# Altium PCB Carte_Alim.PcbDoc (part 1 of 2) (continued)
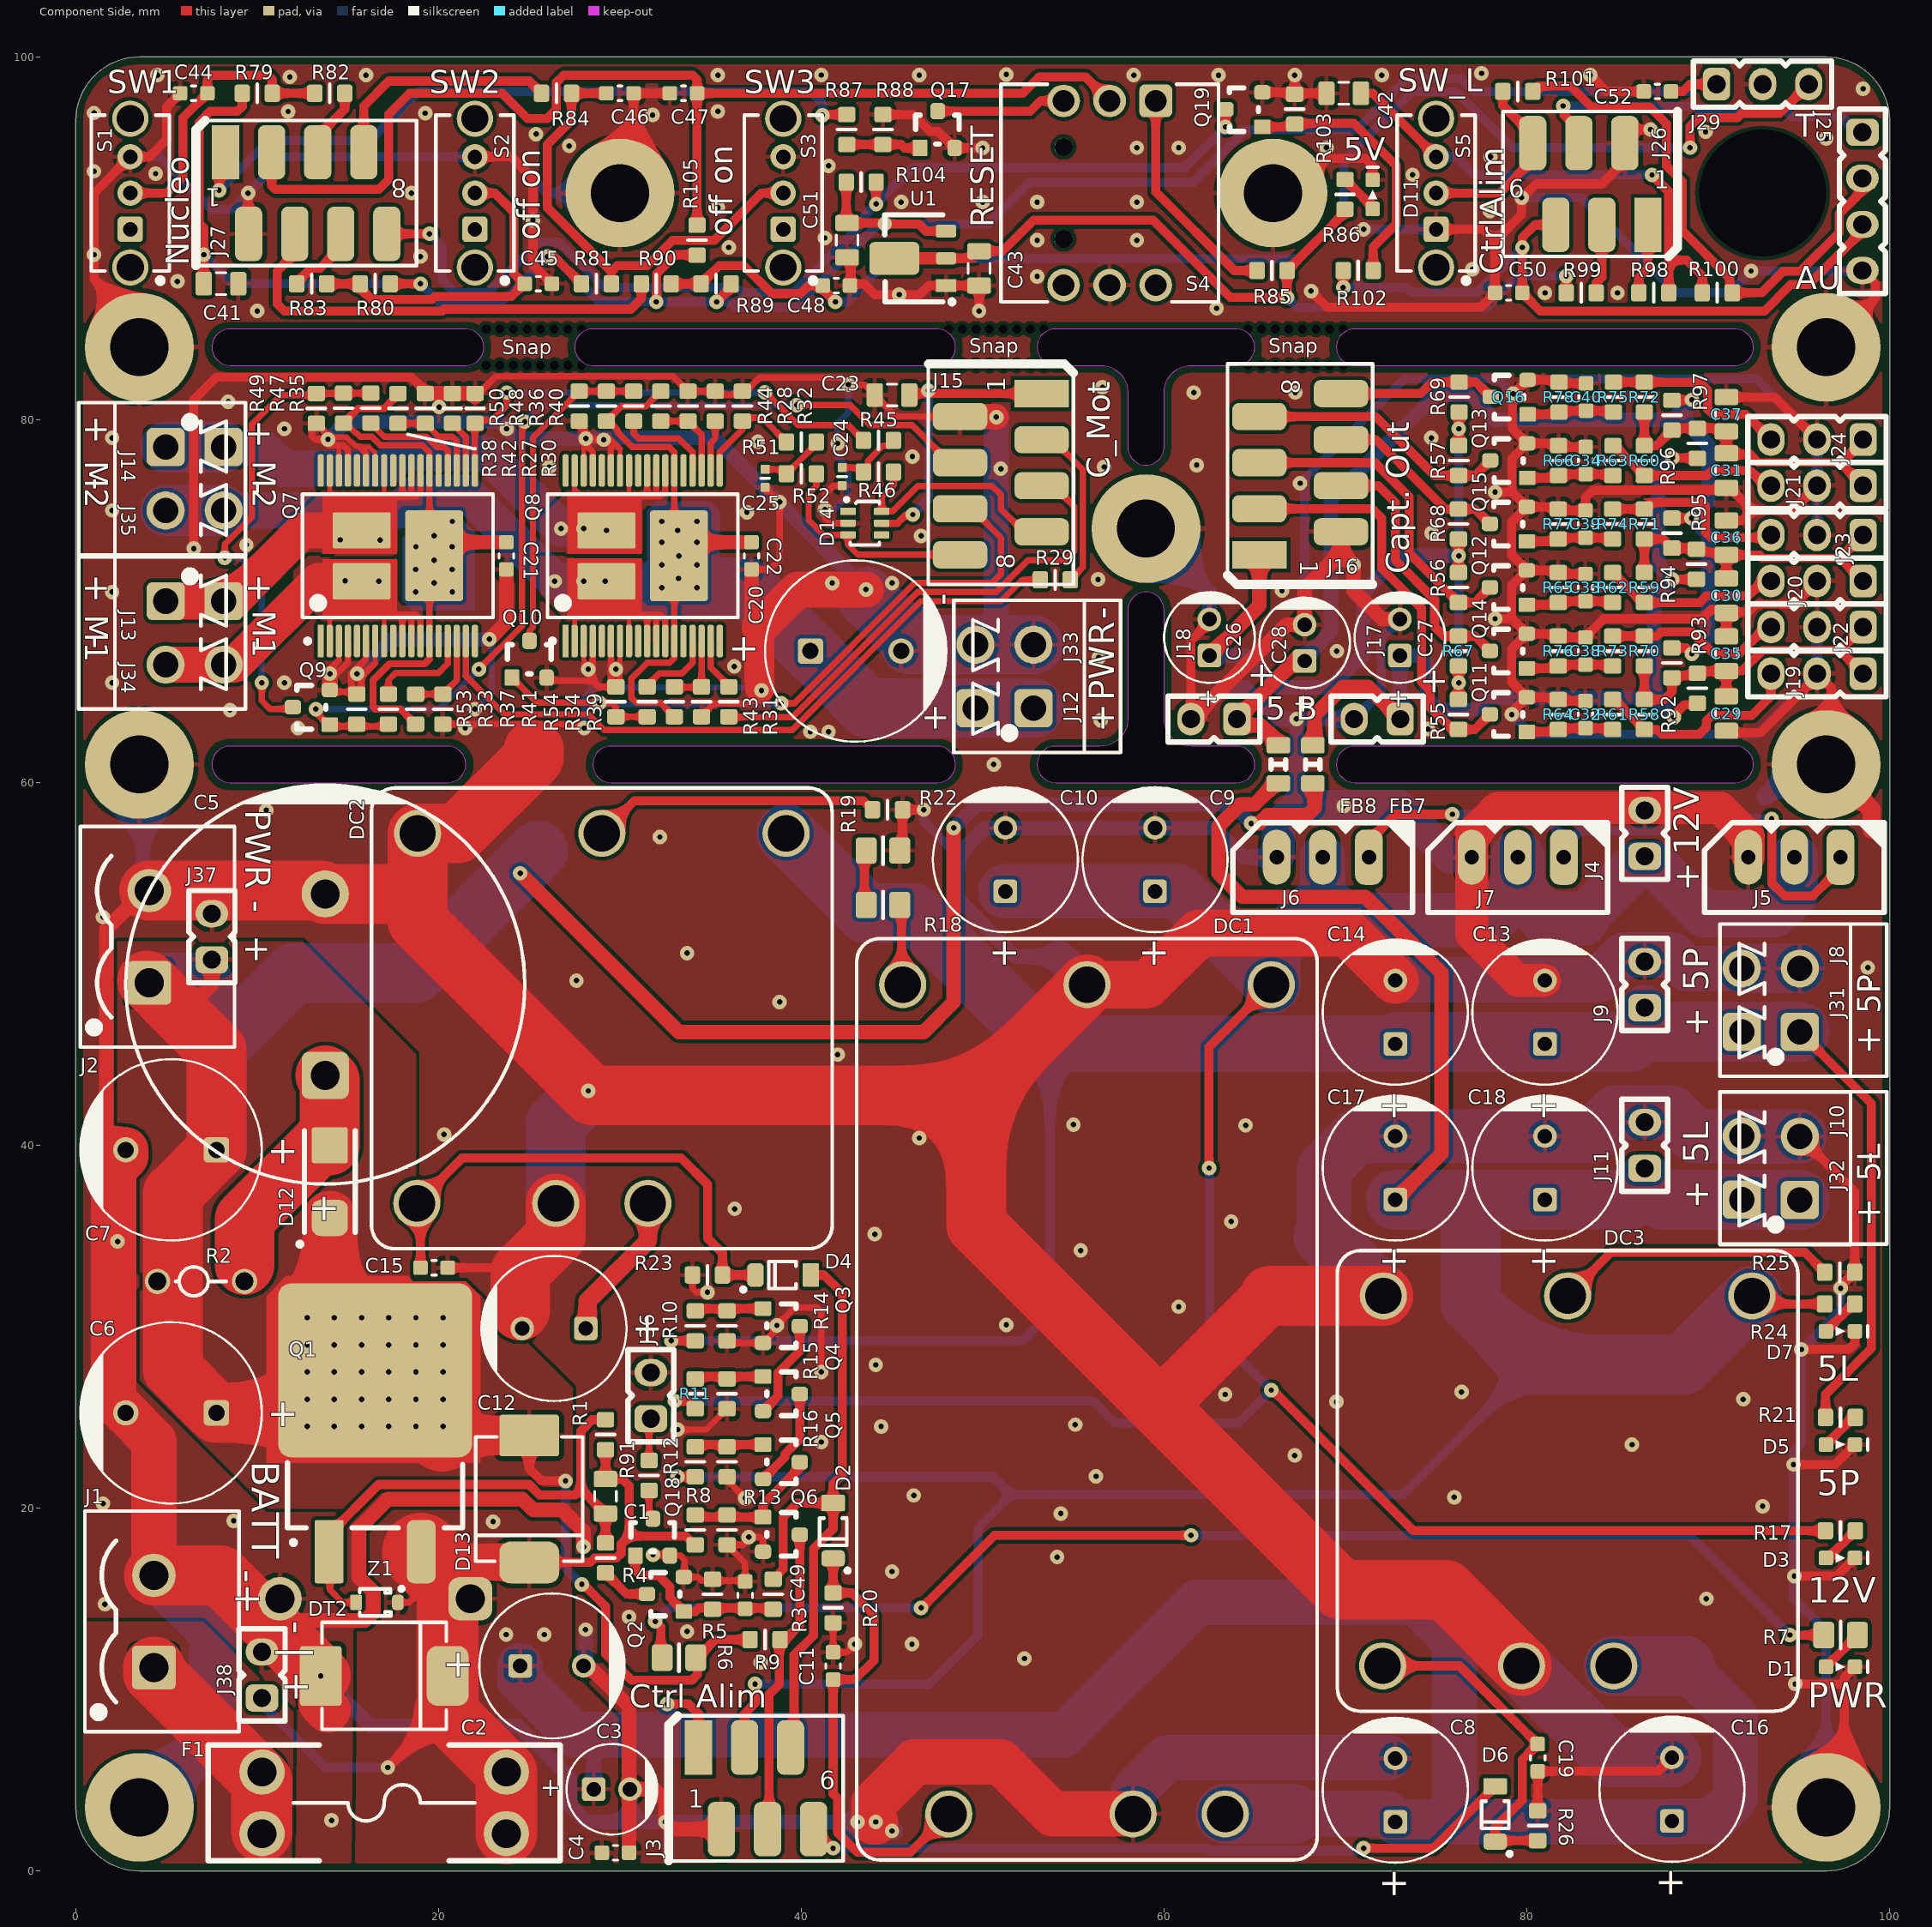
[diagram p0: Component Side view]
## Part data
C1 C23 C29 C30 C31 C35 C36 C37 C41 C42: library part "WCAP-CSGP, 885012207103", "CAP CER 1uF 50V X7R 0805", Manufacturer="Wurth Elektronik", Manufacturer Part Number=885012207103, RatedVoltage=50V, CeramicType=X7R, ComponentLink1Description=Datasheet, ComponentLink1URL=http://katalog.we-online.com/pbs/datasheet/885012207103.pdf, Size=0805, SUPPLIER 2=JLCPCB, Supplier Footprint 2=0805, SUPPLIER PART NUMBER 2=C28323
C2 C8 C12 C16: library part "WCAP-ATG8, 860010574011", "CAP Alu 220 UF 20% 35 V", Manufacturer="Wurth Elektronik", Manufacturer Part Number=860010574011, RatedVoltage=35V, ComponentLink1Description=Datasheet, ComponentLink1URL=http://katalog.we-online.de/pbs/datasheet/860010574011.pdf, Size=8mmx11.5mm
C3 C26 C27 C28: library part "WCAP-ATG8, 860010672009", "CAP Alu 10 UF 20% 50 V", Manufacturer="Wurth Elektronik", Manufacturer Part Number=860010672009, RatedVoltage=50V, ComponentLink1Description=Datasheet, ComponentLink1URL=http://katalog.we-online.de/pbs/datasheet/860010672009.pdf, Size=5mmx11mm
C4 C11 C15 C19 C21 C22 C32 C33 C34 C38 C39 C40 C44 C45 C46 C47 C48 C49 C50 C52: library part "WCAP-CSGP, 885012206095", "CAP CER 100nF 50V X7R 0603", Manufacturer="Wurth Elektronik", Manufacturer Part Number=885012206095, RatedVoltage=50V, CeramicType=X7R, ComponentLink1Description=Datasheet, ComponentLink1URL=http://katalog.we-online.com/pbs/datasheet/885012206095.pdf, Size=0603, SUPPLIER 2=JLCPCB, Supplier Footprint 2=0603, SUPPLIER PART NUMBER 2=C14663
C5: library part "WCAP-ATG8, 860010483029", "CAP Alu 10'000 UF 25 V", Manufacturer="Wurth Elektronik", Manufacturer Part Number=860010483029, RatedVoltage=25V, ComponentLink1Description=Datasheet, ComponentLink1URL=http://katalog.we-online.de/pbs/datasheet/860010483029.pdf, Size=22x41mm
C6 C7 C20: library part "WCAP-ATG8, 860010575012", "CAP Alu 330 UF 20% 35 V", Manufacturer="Wurth Elektronik", Manufacturer Part Number=860010575012, RatedVoltage=35V, ComponentLink1Description=Datasheet, ComponentLink1URL=http://katalog.we-online.de/pbs/datasheet/860010575012.pdf, Size=10mmx12.5mm
C9 C10 C13 C14 C17 C18: library part "WCAP-ATG8, 860010374012", "CAP Alu 470 UF 20% 16 V", Manufacturer="Wurth Elektronik", Manufacturer Part Number=860010374012, RatedVoltage=16V, ComponentLink1Description=Datasheet, ComponentLink1URL=http://katalog.we-online.de/pbs/datasheet/860010374012.pdf, Size=8mmx11.5mm
C24 C25: library part "WCAP-CSGP, 885012205067", "CAP CER 10nF 50V X7R 0402", Manufacturer="Wurth Elektronik", Manufacturer Part Number=885012205067, RatedVoltage=50V, CeramicType=X7R, ComponentLink1Description=Datasheet, ComponentLink1URL=http://katalog.we-online.com/pbs/datasheet/885012205067.pdf, Size=0402, SUPPLIER 2=JLCPCB, Supplier Footprint 2=0402, SUPPLIER PART NUMBER 2=C15195
C43 C51: library part "WCAP-CSGP, 885012207026", "CAP CER 10uF 10V X7R 0805", Manufacturer="Wurth Elektronik", Manufacturer Part Number=885012207026, RatedVoltage=10V, SUPPLIER PART NUMBER 1=2495189, CeramicType=X7R, ComponentLink1Description=Datasheet, ComponentLink1URL=http://katalog.we-online.com/pbs/datasheet/885012207026.pdf, Size=0805, SUPPLIER 1=Farnell, SUPPLIER 2=JLCPCB, Supplier Footprint 2=0805, SUPPLIER PART NUMBER 2=C15850
D1 D3 D5 D7 D11: library part "WL-SMCW 0603  150060RS75000", "SMD mono-color Chip LED, WL-SMCW, Red", Manufacturer="Wurth Elektronik", SUPPLIER PART NUMBER 1=2322071, ComponentLink1Description=Datasheet, ComponentLink1URL=http://katalog.we-online.com/led/datasheet/150060RS75000.pdf, Manufacturer Part Number=150060RS75000, SUPPLIER 1=Farnell, SUPPLIER 2=JLCPCB, Supplier Footprint 2=LED_0603, SUPPLIER PART NUMBER 2=C2286
D2 D4 D6: "DIODE SCHOTTKY 40V 3A SOD123-FL", ContinuousForwardCurrent=3A, Manufacturer=ROHM, SUPPLIER PART NUMBER 1=2581593, ComponentLink1Description=Datasheet, ComponentLink1URL=http://www.farnell.com/datasheets/2067190.pdf, ComponentLink2Description=Manufacturer, ComponentLink2URL=http://www.rohm.com/web/global/products/-/product/RBR3MM40ATF, Manufacturer Part Number=RBR3MM40ATFTR, SUPPLIER 1=Farnell, SUPPLIER 2=JLCPCB, Supplier Footprint 2=SOD-123, SUPPLIER PART NUMBER 2=C8598, Type=Schottky
D12: "DIODE SCHOTTKY 100V 5A SMA (DO-214AC)", ContinuousForwardCurrent="5A (Pk 50A)", Manufacturer=MULTICOMP, SUPPLIER PART NUMBER 1=2750942, ComponentLink1Description=Datasheet, ComponentLink1URL=http://www.farnell.com/datasheets/2282884.pdf, Manufacturer Part Number=HTA5U100, SUPPLIER 1=Farnell, Type=Schottky
D13: library part RS3J_R6, "DIODE GEN PURP 600V 3A SMC", ContinuousForwardCurrent=3A, Manufacturer="TAIWAN SEMICONDUCTOR", SUPPLIER PART NUMBER 1=2677388, ComponentLink1Description=Datasheet, ComponentLink1URL=http://www.farnell.com/datasheets/2182655.pdf, Manufacturer Part Number="RS3J R6", SUPPLIER 1=Farnell, Type=Standard
D14: "WE-TVS TVS Diode 4+1Ch 5V SC70-6L", Manufacturer="Wurth Elektronik", SUPPLIER PART NUMBER 1=7546216, ComponentLink1Description=Datasheet, ComponentLink1URL=https://www.we-online.com/catalog/datasheet/82400274.pdf, Manufacturer Part Number=82400274, SUPPLIER 1=RSComponents, SUPPLIER 2=JLCPCB, Supplier Footprint 2=SOT-23-6L, SUPPLIER PART NUMBER 2=C85364, Type=TVS
DC1: "Traco 12.0V 60W 5A", Manufacturer=TRACOPOWER, SUPPLIER PART NUMBER 1=2451635, ComponentLink1Description=Datasheet, ComponentLink1URL=http://www.farnell.com/datasheets/2200542.pdf, Manufacturer Part Number="TEN 60-2412WIN", SUPPLIER 1=Farnell
DC2: "Traco 5V-6V 30W 6A", Manufacturer=TRACOPOWER, SUPPLIER PART NUMBER 1=1951-3302-ND, ComponentLink1Description=Datasheet, ComponentLink1URL=https://www.tracopower.com/products/thn30wi.pdf, Manufacturer Part Number=THN30-2411WI-A1, SUPPLIER 1=Digikey
DC3: "Traco 5V 15W 3A", Manufacturer=TRACOPOWER, SUPPLIER PART NUMBER 1=1441226, ComponentLink1Description=Datasheet, ComponentLink1URL=http://www.farnell.com/datasheets/1866342.pdf, Manufacturer Part Number=THN15-2411WI, SUPPLIER 1=Farnell
DT2: "WE-TVSP Power TVS Diode, Unidirectional, 1500 W, 24 VDC", Manufacturer="Wurth Electronics Inc.", SUPPLIER PART NUMBER 1=2536699, ComponentLink1Description=Datasheet, ComponentLink1URL=https://www.we-online.com/catalog/datasheet/824540241.pdf, Manufacturer Part Number=824540241, SUPPLIER 1=Farnell, Type=TVS
F1: "FUSE Holder 500V 30A PCB", Manufacturer="Keystone Electronics", SUPPLIER PART NUMBER 1=2292904, ComponentLink1Description=Datasheet, ComponentLink1URL=http://www.keyelco.com/product-pdf.cfm?p=296, Manufacturer Part Number=3557-2, SUPPLIER 1=Farnell
FB7 FB8: library part "WE-CBF, 742792023", "Ferrite Bead 120ohm 0805 3A", Manufacturer="Wurth Elektronik", RatedCurrent=3A, SUPPLIER PART NUMBER 1=1635732, ComponentLink1Description=Manufacturer, ComponentLink1URL=https://www.we-online.com/catalog/en/WE-CBF/?sq=742792023#742792023, ComponentLink2Description=Datasheet, ComponentLink2URL=https://www.we-online.com/catalog/datasheet/742792023.pdf, Manufacturer Part Number=742792023, SUPPLIER 1=Farnell, SUPPLIER 2=JLCPCB, Supplier Footprint 2=0805, SUPPLIER PART NUMBER 2=C1015
J1 J2: "WR-TBL 2p Series 311 - 5.08 mm Closed Vertical PCB Header", Manufacturer="Wurth Electronics Inc.", SUPPLIER PART NUMBER 1=1641978, ComponentLink1Description=Datasheet, ComponentLink1URL=https://katalog.we-online.de/em/datasheet/6913115001xx.pdf, Manufacturer Part Number=691311500102, SUPPLIER 1=Farnell
J3 J26: "WR-MM 6p Female SMT Connector with Polarization", Manufacturer="Wurth Electronics Inc.", SUPPLIER PART NUMBER 1=1641849, ComponentLink1Description=Datasheet, ComponentLink1URL=http://katalog.we-online.de/em/datasheet/69036728xx76.pdf, Manufacturer Part Number=690367280676, SUPPLIER 1=Farnell
J4 J9 J11 J17 J18 J36 J37 J38: "CONN HEADER VERT 2POS 2.54MM", Manufacturer=MOLEX, SUPPLIER PART NUMBER 1=9731075, ComponentLink1Description=Datasheet, ComponentLink1URL=http://www.farnell.com/datasheets/1791308.pdf, ComponentLink2Description=Drawings, ComponentLink2URL="http://www.farnell.com/cad/495071.pdf  http://www.farnell.com/cad/1533907.pdf  http://www.farnell.com/cad/1533907.pdf", Manufacturer Part Number=22-03-2021, SUPPLIER 1=Farnell
J5 J6 J7: library part 20-03-5035, "CONN HEADER VERT 3POS 2.5MM", Manufacturer=MOLEX, SUPPLIER PART NUMBER 1=9979620, ComponentLink1Description=Datasheet, ComponentLink1URL=http://www.farnell.com/datasheets/1801024.pdf, ComponentLink2Description=Drawings, ComponentLink2URL="http://www.farnell.com/cad/495071.pdf  http://www.farnell.com/cad/1533907.pdf  http://www.farnell.com/cad/1533907.pdf", Manufacturer Part Number=22-03-5035, SUPPLIER 1=Farnell
J8 J10 J12 J13 J14: "WR-TBL 2p Series 3221 - 3.50 mm Horizontal PCB Header", Manufacturer="Wurth Electronics Inc.", SUPPLIER PART NUMBER 1=1841315, ComponentLink1Description=Datasheet, ComponentLink1URL=http://katalog.we-online.de/em/datasheet/6913221100xx.pdf, Manufacturer Part Number=691322110002, SUPPLIER 1=Farnell
J15 J16 J27: "WR-MM 8p Female SMT Connector with Polarization", Manufacturer="Wurth Electronics Inc.", SUPPLIER PART NUMBER 1=1641850, ComponentLink1Description=Datasheet, ComponentLink1URL=http://katalog.we-online.de/em/datasheet/69036728xx76.pdf, Manufacturer Part Number=690367280876, SUPPLIER 1=Farnell
J19 J20 J21 J22 J23 J24 J29: "CONN HEADER VERT 3POS 2.54MM", Manufacturer=MOLEX, SUPPLIER PART NUMBER 1=9731083, ComponentLink1Description=Datasheet, ComponentLink1URL=http://www.farnell.com/datasheets/1785732.pdf, ComponentLink2Description=Drawings, ComponentLink2URL="http://www.farnell.com/cad/495071.pdf  http://www.farnell.com/cad/1533907.pdf  http://www.farnell.com/cad/1533907.pdf", Manufacturer Part Number=22-03-2031, SUPPLIER 1=Farnell
J25: "CONN HEADER VERT 4POS 2.54MM", Manufacturer=MOLEX, SUPPLIER PART NUMBER 1=9731091, ComponentLink1Description=Datasheet, ComponentLink1URL=https://www.molex.com/pdm_docs/sd/022032041_sd.pdf, Manufacturer Part Number=22-03-2041, SUPPLIER 1=Farnell
J31 J32 J33 J34 J35: "WR-TBL 2p Series 3211 - 3.50 mm Vertical PCB Header", Manufacturer="Wurth Electronics Inc.", SUPPLIER PART NUMBER 1=1841308, ComponentLink1Description=Datasheet, ComponentLink1URL=https://katalog.we-online.de/em/datasheet/6913211000xx.pdf, Manufacturer Part Number=691321100002, SUPPLIER 1=Farnell
Q1: "MOSFET P 60V 120A D2PAK", Manufacturer=VISHAY, SUPPLIER PART NUMBER 1=2617099, ComponentLink1Description=Datasheet, ComponentLink1URL=http://www.vishay.com/docs/67026/sqm120p0.pdf, Manufacturer Part Number=SQM120P06-07L_GE3, SUPPLIER 1=Farnell
Q2 Q3 Q4 Q5 Q6 Q9 Q10 Q11 Q12 Q13 Q14 Q15 Q16 Q17 Q18 Q19: "MOSFET N 60V 115MA SOT23", Manufacturer="Changjiang Electronics Tech (CJ)", SUPPLIER PART NUMBER 1=1510761, ComponentLink1Description=Datasheet, ComponentLink1URL=https://datasheet.lcsc.com/szlcsc/1810151612_Changjiang-Electronics-Tech-CJ-2N7002_C8545.pdf, Manufacturer Part Number=2N7002, SUPPLIER 1=Farnell, SUPPLIER 2=JLCPCB, Supplier Footprint 2=SOT-23-3, SUPPLIER PART NUMBER 2=C8545
Q7 Q8: "IC MOTOR DRIVER PAR 36POWERSSO", Manufacturer=STMicroelectronics, SUPPLIER PART NUMBER 1=2849833, ComponentLink1Description=Datasheet, ComponentLink1URL=http://www.st.com/content/ccc/resource/technical/document/datasheet/ce/72/6c/f3/65/47/45/b3/CD00264619.pdf/files/CD00264619.pdf/jcr:content/translations/en.CD00264619.pdf, Manufacturer Part Number=VNH5180ATR-E, SUPPLIER 1=Farnell
R1 R3 R4 R5 R8 R13 R14 R15 R16 R20 R22 R23 R25 R26 R27 R28 R37 R38 R39 R40 R45 R47 R48 R51 R53 R54 R55 R56 R57 R58 R59 R60 R61 R62 R63 R64 R65 R66 R67 R68 R69 R70 R71 R72 R73 R74 R75 R76 R77 R78 R79 R80 R81 R88 R89 R102 R103 R104 R105: "RES SMD 10K OHM 1% 1/10W 0603", Manufacturer=Yageo, POWER=100mW, SUPPLIER PART NUMBER 1=9238603, ComponentLink1Description=Manufacturer, ComponentLink1URL=http://www.yageo.com/NewPortal/_en/index.jsp, ComponentLink2Description=Datasheet, ComponentLink2URL=http://www.farnell.com/datasheets/2167052.pdf, Manufacturer Part Number=RC0603FR-0710KL, Precision=±1%, SUPPLIER 1=Farnell, SUPPLIER 2=JLCPCB, Supplier Footprint 2=0603, SUPPLIER PART NUMBER 2=C25804, Type="Thick Film", Vmax=50V
R2: library part Generic_TH_Vert_Res, "resistance traversante verticale générique", Manufacturer=MULTICOMP, Manufacturer Part Number=MCKNP02WJ0102A19, POWER=2W, SUPPLIER PART NUMBER 1=1903754, Precision=±5%, SUPPLIER 1=Farnell, Type="Through Hole"
R6 R7 R18 R19: "RES SMD 2K7 OHM 1% 1/8W 0805", Manufacturer=Yageo, POWER=125mW, SUPPLIER PART NUMBER 1=9237666, ComponentLink1Description=Manufacturer, ComponentLink1URL=http://www.yageo.com/NewPortal/_en/index.jsp, ComponentLink2Description=Datasheet, ComponentLink2URL=http://www.farnell.com/datasheets/444164.pdf, Manufacturer Part Number=RC0805FR-072K7L, Precision=±1%, SUPPLIER 1=Farnell, SUPPLIER 2=JLCPCB, Supplier Footprint 2=0805, SUPPLIER PART NUMBER 2=C17530, Type="Thick Film", Vmax=50V
R9 R10 R11 R12 R21 R24 R29 R31 R33 R34 R35 R36 R41 R42 R43 R44 R46 R52 R85: "RES SMD 1K OHM 1% 1/10W 0603", Manufacturer=Yageo, POWER=100mW, SUPPLIER PART NUMBER 1=9238484, ComponentLink1Description=Manufacturer, ComponentLink1URL=http://www.yageo.com/NewPortal/_en/index.jsp, ComponentLink2Description=Datasheet, ComponentLink2URL=http://www.farnell.com/datasheets/2167052.pdf, Manufacturer Part Number=RC0603FR-071KL, Precision=±1%, SUPPLIER 1=Farnell, SUPPLIER 2=JLCPCB, Supplier Footprint 2=0603, SUPPLIER PART NUMBER 2=C21190, Type="Thick Film", Vmax=50V
R17 R49 R50 R86: "RES SMD 1.8K OHM 1% 1/10W 0603", Manufacturer=Yageo, POWER=100mW, SUPPLIER PART NUMBER 1=9238514, ComponentLink1Description=Manufacturer, ComponentLink1URL=http://www.yageo.com/NewPortal/_en/index.jsp, ComponentLink2Description=Datasheet, ComponentLink2URL=http://www.farnell.com/datasheets/2167052.pdf, Manufacturer Part Number=RC0603FR-071K8L, Precision=±1%, SUPPLIER 1=Farnell, SUPPLIER 2=JLCPCB, Supplier Footprint 2=0603, SUPPLIER PART NUMBER 2=C4177, Type="Thick Film", Vmax=50V
R30 R32: "RES SMD 620 OHM 1% 1/10W 0603", Manufacturer=Yageo, POWER=100mW, SUPPLIER PART NUMBER 1=311-620HRCT-ND, ComponentLink1Description=Manufacturer, ComponentLink1URL=http://www.yageo.com/NewPortal/_en/index.jsp, ComponentLink2Description=Datasheet, ComponentLink2URL=http://www.farnell.com/datasheets/1868787.pdf, Manufacturer Part Number=RC0603FR-07620RL, Precision=±1%, SUPPLIER 1=Digi-Key, SUPPLIER 2=JLCPCB, Supplier Footprint 2=0603, SUPPLIER PART NUMBER 2=C23220, Type="Thick Film", Vmax=50V
R82 R83 R84 R87 R90 R91: "RES SMD 68 OHM 1% 1/10W 0603", Manufacturer=Yageo, POWER=100mW, SUPPLIER PART NUMBER 1=9238344, ComponentLink1Description=Manufacturer, ComponentLink1URL=http://www.yageo.com/NewPortal/_en/index.jsp, ComponentLink2Description=Datasheet, ComponentLink2URL=http://www.farnell.com/datasheets/1868787.pdf, Manufacturer Part Number=RC0603FR-0768RL, Precision=±1%, SUPPLIER 1=Farnell, SUPPLIER 2=JLCPCB, Supplier Footprint 2=0603, SUPPLIER PART NUMBER 2=C27592, Type="Thick Film", Vmax=50V
R92 R93 R94 R95 R96 R97 R98 R99 R100 R101: "RES SMD 0 OHM 1% 1/10W 0603", Manufacturer=Yageo, POWER=100mW, SUPPLIER PART NUMBER 1=2309106, ComponentLink1Description=Manufacturer, ComponentLink1URL=http://www.yageo.com/NewPortal/_en/index.jsp, ComponentLink2Description=Datasheet, ComponentLink2URL=http://www.farnell.com/datasheets/2167052.pdf, Manufacturer Part Number=RC0603FR-070RL, Precision=±1%, SUPPLIER 1=Farnell, SUPPLIER 2=JLCPCB, Supplier Footprint 2=0603, SUPPLIER PART NUMBER 2=C21189, Type="Thick Film", Vmax=50V
S1 S2 S3 S5: "SWITCH SLIDE SPDT 0.1A 12V (500VDC max)", Manufacturer="C & K COMPONENTS", SUPPLIER PART NUMBER 1=1201430, ComponentLink1Description=Datasheet, ComponentLink1URL=https://www.ckswitches.com/media/1428/os.pdf, ComponentLink2Description=Manufacturer, ComponentLink2URL=https://www.ckswitches.com/products/switches/product-details/Slide/OS/OS102011MS2QN1/, Manufacturer Part Number=OS102011MS2QN1, SUPPLIER 1=Farnell
S4: "WS-TATL Illuminated THT Tact Switch, Green", Manufacturer="Wurth Elektronik", SUPPLIER PART NUMBER 1=2402381, ComponentLink1Description=Datasheet, ComponentLink1URL=https://katalog.we-online.com/em/datasheet/440GS67082622.pdf, ComponentLink2Description=Manufacturer, ComponentLink2URL=https://www.we-online.com/catalog/en/TATL_12X12_THT/?sq=440GS67082622#440GS67082622, Manufacturer Part Number=440GS67082622, SUPPLIER 1=Farnell
U1: "LDO 3.3V 100mA SOT89", Manufacturer=Holtek, SUPPLIER PART NUMBER 1=8850721, ComponentLink1Description=Datasheet, ComponentLink1URL=https://datasheet.lcsc.com/szlcsc/1812071811_Holtek-Semicon-HT7533-1_C14289.pdf, ComponentLink2Description=Manufacturer, ComponentLink2URL=https://www.holtek.com/productdetail/-/vg/75xx_1, Manufacturer Part Number=HT7533-1, SUPPLIER 1=RSComponents, SUPPLIER 2=JLCPCB, Supplier Footprint 2=SOT-89-3, SUPPLIER PART NUMBER 2=C14289, Type=LDO
Z1: "DIODE ZENER 14.6V 300mW SOD323", Manufacturer="ON Semiconductor", SUPPLIER PART NUMBER 1=2533369, ComponentLink1Description=Datasheet, ComponentLink1URL=http://www.farnell.com/datasheets/2028649.pdf, Manufacturer Part Number=MM3Z15VST1G, SUPPLIER 1=Farnell, Type=Zener

## Free pads (board coordinates)
  round 6 hole 3.2: 0(3.5,3.5) 0(3.5,61) 0(3.5,84) 0(30,92.5) 0(59,74) 0(66,92.5) 0(96.5,3.5) 0(96.5,61) 0(96.5,84)
  round 2.4 hole 1.6: 0(11.25,15)
  rrect50% 2.4x2.4 hole 1.6: 0(21.75,15)
  round 6 hole 7 unplated: 0(93,92.5)
  round 0 hole 0.5 unplated: 2(22.625,83) 2(22.625,85) 2(23.375,83) 2(23.375,85) 2(24.125,83) 2(24.125,85) 2(24.875,83) 2(24.875,85) 2(25.625,83) 2(25.625,85) 2(26.375,85) 2(26.375,83) 2(27.125,83) 2(27.125,85) 2(27.875,83) 2(27.875,85) 2(48.125,83) 2(48.125,85) 2(48.875,83) 2(48.875,85) 2(49.625,83) 2(49.625,85) 2(50.375,83) 2(50.375,85) 2(51.125,83) 2(51.125,85) 2(51.875,85) 2(51.875,83) 2(52.625,83) 2(52.625,85) 2(53.375,83) 2(53.375,85) 2(64.625,83) 2(64.625,85) 2(65.375,83) 2(65.375,85) 2(66.125,83) 2(66.125,85) 2(66.875,83) 2(66.875,85) 2(67.625,83) 2(67.625,85) 2(68.375,85) 2(68.375,83) 2(69.125,83) 2(69.125,85) 2(69.875,83) 2(69.875,85)

## Via types
v1: diameter 0.8, hole 0.3, Component Side to Solder Side, tented both sides, 318 vias

## Nets (pads, with @x,y where several pads share a name; then routed paths per layer and width w, separated by ;. In a path a pad name is that pad's centre, name@x,y a point inside that pad or via, vN(x,y) a via of type N, cw(c..) or ccw(c..) an arc to the next point about the centre after c; other vN are vias at no path point)
3L_CAP: C26.1 J16.1 R55.2 R56.2 R57.2 R67.2 R68.2 R69.2 | length 45.7
  Component Side w0.5: R55.2@76.23,64.575 R67.2@76.23,66.425 ; R56.2@76.23,71.575 R68.2@76.23,73.425 ; R57.2@76.25,78.575 v1(76.25,79.5) R69.2@76.25,80.405
  Component Side w0.8: C26.1@62.5,67 65.25,69.75 J16.1@65.25,72.555
  Solder Side w0.5: v1(76.25,65.5) v1(76.25,72.5) v1(76.25,79.5)
  Solder Side w0.8: C26.1@62.5,67 64.5,67 66.25,65.25 69.18,65.25 71,67.07 71,70.5 73,72.5 v1(76.25,72.5)
3L_CLAV: C41.2 C51.1 C52.1 J29.1 R79.2 R80.2 R81.2 R89.2 R104.2 R105.2 U1.3 | length 125.3
  Component Side w0.5: C41.2@7.05,87.5 v1(7.05,89.1) 7.05,90.575 6.8,90.825 6.8,96.4 7.4,97 8.9,97 9.175,97.275 R79.2@9.175,98 ; R80.2@17.325,87.5 v1(19,87.5) ; v1(26,89) 26.375,89 R81.2@27.875,87.5 ; v1(32,86.5) 32.023,86.523 32.023,88.056 33.067,89.1 R105.2@34.3,89.1 ; v1(35.325,86.5) 35.95,87.125 35.95,87.325 R89.2@36.125,87.5 R89.2@36.075,87.5 ; C51.1@42.475,90.9 R104.2@42.475,93.1 ; C51.1@42.525,90.85 v1@44.6,90.85 ; v1(44.6,90.8) 46.475,90.8 46.875,90.4 U1.3@47.977,90.4 ; C52.1@87.95,98.1 88.6,98.1 89,98.5 J29.1@90.46,98.5
  Solder Side w0.5: v1(7.05,89.1) 8.65,87.5 v1(19,87.5) 20.2,86.3 23.3,86.3 v1(26,89) 26.375,89 28.875,86.5 v1(32,86.5) v1(35.325,86.5) 36.1,86.5 36.4,86.2 39.675,86.2 44.275,90.8 v1(44.6,90.8) 50.3,90.8 52.59,93.09 61.59,93.09 64.5,96 70.6,96 73.4,98.8 76.4,98.8 77.1,98.1 88.963,98.1 89.363,98.5 J29.1@90.46,98.5
3L_M: C23.2 D14.5 J15.1 | length 16.6
  Component Side w0.4: D14.5@44.425,74.3 45.3,74.3 45.775,74.775 v1(46.15,74.775)
  Component Side w0.5: C23.2@46.027,81.445 v1@46.825,81.445 ; v1(47,81.62) v1@46.825,81.445 ; J15.1@53.25,81.445 v1@46.825,81.445
  Solder Side w0.5: v1(46.15,74.775) 47,75.625 v1(47,81.62)
5L: C17.1 C18.1 DC3.3 FB8.1 J3.3 J10.1 J11.1 J26.3 J32.1 R12.2 R24.1 R99.1 | length 166.5
  Component Side w0.5: v1(33.175,21.725) R12.2@34.15,21.725 ; J3.3@36.865,6.8 36.865,8.665 37.448,9.248 v1(37.448,10.3) ; R99.1@83.825,87 83.825,87.548 84.135,87.858 J26.3@84.135,90.75 ; DC3.3@92.86,31.25 R24.1@96.425,31.25
  Component Side w0.8: FB8.1@66.047,59.853 64.994,58.8 64.2,58.8 63,57.6 63,55 64.3,53.7 71.1,53.7 75.3,49.5 75.3,39.55 C17.1@72.75,37
  Solder Side w0.5: v1(33.175,21.725) 50.6,21.725 51.575,20.75 ; v1(37.448,10.3) 46.95,10.3 47,10.25 49.75,13 49.75,18.925 51.575,20.75 ; 80.3,27.9 73.15,20.75 51.575,20.75
  Solder Side w3.3: C17.1@72.75,37 C18.1@81,37 85.6,37 86.5,37.9 87.4,37 J10.1@91.85,37 95.03,37 J32.1@95.05,36.98 ; 76.9,36.9 76.9,31.3 80.3,27.9 88.61,27.9 DC3.3@92.41,31.7
5L_CAP: C28.1 FB8.2 J18.1 R92.1 R94.1 R96.1 | length 59
  Component Side w0.5: R92.1@88,67.425 88.775,67.425 v1(89.1,67.1) ; R94.1@88,74.575 v1(89.075,74.575) ; R96.1@88.025,81.1 v1(89.1,81.1)
  Component Side w0.8: FB8.2@66.2,62.3 65.35,63.15 64.37,63.15 64.01,63.51 67.2,66.7 C28.1@67.75,66.7
  Solder Side w0.8: C28.1@67.675,66.775 69.2,68.3 69.2,75.6 74.968,81.368 76.882,81.368 78.25,80 88,80 88.303,80.303 ; v1(89.1,67.1) 89.993,67.993 89.993,73.657 v1(89.075,74.575) 90.011,75.511 90.011,78.595 88.303,80.303 ; v1(89.1,81.1) 88.303,80.303
5L_CLAV: C43.1 R85.1 R86.1 R99.2 U1.2 | length 44.8
  Component Side w0.5: U1.2@47.978,88.9 49.2,88.9 49.6,89.3 C43.1@49.8,89.3 51.1,89.3 52.8,91 59.4,91 63.65,86.75 v1(66.775,86.75) R85.1@66.775,88.225 66.775,88.275 66.95,88.45 67,88.45 R86.1@69.988,91.438 ; R86.1@69.925,91.5 R86.1@69.975,91.5 ; R99.2@82.175,87 v1(82.175,87.925)
  Solder Side w0.5: v1(66.775,86.75) 67.325,86.2 77.8,86.2 79.525,87.925 v1(82.175,87.925)
5L_EN: C19.2 D6.2 DC3.6 R26.2 | length 19
  Component Side w0.5: DC3.6@72.05,11.3 76.29,11.3 C19.2@80.6,6.99 79.75,6.14 79.75,3.898 78.25,2.398 78.25,1.675 80.59,1.675 R26.2@80.6,1.665
5P: C13.1 C14.1 DC2.3 J8.1 J9.1 J31.1 R10.2 R21.1 | length 122.4
  Component Side w0.5: v1(32.825,29.225) R10.2@34.15,29.225 ; J31.1@95.05,46.25 99,42.3 99,28.8 96.465,26.265 R21.1@96.465,25
  Solder Side w0.5: v1(32.825,29.225) 52.225,29.225 53.71,30.71 53.71,45.312
  Solder Side w2.5: 86.5,46.5 J9.1@86.5,47.59
  Solder Side w3.1: 53.71,45.59 C14.1@72.75,45.59
  Solder Side w3.3: DC2.3@39.16,57.2 43.56,52.8 46.222,52.8 53.71,45.312 ; C14.1@72.86,45.7 85.7,45.7 ; 86.5,46.25 J8.1@91.85,46.25 J31.1@95.05,46.25
5P_EN: C15.2 D4.2 DC2.6 R23.2 | length 28.2
  Component Side w0.5: DC2.6@18.8,36.8 21.3,39.3 33.375,39.3 34.825,37.85 34.825,34.875 35.65,34.05 R23.2@35.65,32.85 D4.2@37.475,32.85 ; C15.2@19,33.25 DC2.6@19,36.6
12V: C9.1 C10.1 DC1.4 J4.1 J5.2 J6.2 J7.2 R11.2 R17.2 | length 153.9
  Component Side w0.5: v1(33.025,25.9) 33.725,25.9 R11.2@34.15,25.475 ; v1(62.48,38.75) 62.48,45.43 DC1.4@65.91,48.86 ; v1(65.91,26.5) 65.91,26.59 73.75,18.75 R17.2@96.465,18.75
  Solder Side w0.5: v1(33.025,25.9) 56.1,25.9 57.3,24.7 64.11,24.7 v1(65.91,26.5) 62.5,29.91 62.5,38.73 v1(62.48,38.75)
  Solder Side w2.5: 68.75,53.55 J6.2@68.75,55.885
  Solder Side w2.6: 83.07,52.5 86.055,55.485 87.046,55.485 89.77,52.761 93.661,52.761 94.75,53.85 J5.2@94.75,55.885
  Solder Side w2.9: 79.522,54.062 81.1,52.5
  Solder Side w3: C10.1@51.25,54 60.777,54 DC1.4@65.91,48.867 ; 65.91,50.71 68.75,53.55 69.873,52.427 77.887,52.427 79.522,54.062 ; 79.5,54.1 J7.2@79.5,55.885 ; 81.1,52.5 83.07,52.5
  Solder Side w3.2: DC1.4@65.91,48.867 65.91,50.71
12V_EN: C11.2 D2.2 DC1.3 R20.2 | length 25.8
  Component Side w0.5: D2.2@41.75,17.225 R20.2@41.75,15.325 42.775,15.325 44,14.1 44,11.6 42.95,10.55 C11.2@41.75,10.55 41.75,4.25 42,4 42,2.106 43.085,1.021 46.011,1.021 DC1.3@48.13,3.14
ALIM_AU: J25.2 R100.2 R101.2 | length 30
  Component Side w0.5: R101.2@80.325,98.1 80.625,98.4 82.4,98.4 83.55,97.25 86.77,97.25 87.7,96.32 87.7,94 88.56,93.14 88.56,90.44 91.182,87.818 91.182,87.143 R100.2@91.325,87 92.954,87 94.154,88.2 95.1,88.2 97.223,90.323 97.223,91.348 98.5,92.625 J25.2@98.5,93.31
AU_STATUS: J27.8 Q19.3 R104.1 | length 57.1
  Component Side w0.5: J27.8@17.145,90.25 v1(19.5,90.25) ; v1(44.125,91.9) R104.1@44.125,93.1 ; v1(63.384,96.147) Q19.3@63.384,97.113
  Solder Side w0.5: v1(19.5,90.25) 20.2,89.55 20.2,87.7 20.9,87 22.7,87 25.5,89.8 26.644,89.8 29.144,87.3 36.4,87.3 36.7,87 39.547,87 43.5,90.953 43.5,91.275 v1(44.125,91.9) 46.125,93.9 61.136,93.9 v1(63.384,96.147)
BATT_P: F1.1 F1.3 J1.1 | length 11.5
  Component Side w3.4: J1.1@4.3,11.21 4.3,10.9 10.25,4.95 F1.3@10.25,2.175
CAP_#A: C29.2 C35.2 J19.1 J22.1 R58.2 R70.2 R92.2 R93.2 | length 19.4
  Component Side w0.47: 93,67.3 97.24,67.3
  Component Side w0.5: R70.2@86.48,66.425 R58.2@86.48,64.575 87.575,64.575 88,65 88,65.9 89.275,65.9 R93.2@89.4,66.025 89.525,66.15 C35.2@91,66.15 ; C29.2@91,64.65 C35.2@91,66.15 ; 93,67.3 91.85,66.15 C35.2@91,66.15 ; J19.1@98.54,66 97.24,67.3 98.51,68.57 J22.1@98.54,68.57
CAP_#B: C30.2 C36.2 J20.1 J23.1 R59.2 R71.2 R94.2 R95.2 | length 17.7
  Component Side w0.46: 92.985,72.37 97.25,72.37
  Component Side w0.5: R59.2@86.48,71.575 R71.2@86.48,73.425 87.5,73.425 R94.2@88,72.925 R95.2@89.35,72.925 ; R95.2@89.35,72.865 89.515,72.7 90.85,72.7 C36.2@91,72.55 ; C30.2@91,71.45 C36.2@91,72.55 ; 92.985,72.37 92.835,72.55 C36.2@91,72.55 ; 97.25,72.4 J20.1@98.54,71.11 ; 97.29,72.4 J23.1@98.54,73.65
CAP_#C: C31.2 C37.2 J21.1 J24.1 R60.2 R72.2 R96.2 R97.2 | length 18
  Component Side w0.46: 92.75,77.653 97.257,77.653
  Component Side w0.5: R72.2@86.48,80.425 R60.2@86.48,78.575 87.15,78.575 88.125,79.55 90.8,79.55 C37.2@91,79.35 C31.2@91,78.15 91.066,78.084 92.319,78.084 92.75,77.653 ; J21.1@98.54,76.37 97.365,77.545 97.365,77.653 98.54,78.828 J24.1@98.54,78.91
CAPTTOR_1: J16.3 Q11.3 R55.1 | length 22.6
  Component Side w0.5: J16.3@65.25,75.095 71.48,75.095 72,74.575 72,71.8 74.2,69.6 74.2,65.55 74.659,65.091 74.659,64.157 75.89,62.925 77.126,62.925 Q11.3@77.964,63.763
CAPTTOR_2: J16.4 Q14.3 R67.1 | length 14.7
  Component Side w0.5: J16.4@69.75,76.365 71.805,76.365 72.75,75.42 72.75,72.25 74.916,70.084 74.916,68.584 75.425,68.075 R67.1@76.23,68.075 77.152,68.075 Q14.3@77.964,67.263
CAPTTOR_3: J16.5 Q12.3 R56.1 | length 18.1
  Component Side w0.5: J16.5@65.25,77.635 71.615,77.635 73.5,75.75 73.5,72.655 R56.1@76.23,69.925 77.126,69.925 Q12.3@77.964,70.763
CAPTTOR_4: J16.6 Q15.3 R68.1 | length 10.1
  Component Side w0.5: J16.6@69.75,78.905 71.695,78.905 75.525,75.075 R68.1@76.23,75.075 77.152,75.075 Q15.3@77.964,74.263
CAPTTOR_5: J16.7 Q13.3 R57.1 | length 14.4
  Component Side w0.5: J16.7@65.25,80.175 71.666,80.175 74.916,76.925 R57.1@76.25,76.925 77.146,76.925 Q13.3@77.984,77.763
CAPTTOR_6: J16.8 Q16.3 R69.1 | length 8.9
  Component Side w0.5: J16.8@69.75,81.445 74.145,81.445 74.775,82.075 R69.1@76.27,82.075 77.192,82.075 Q16.3@78.004,81.263
DNMXL_DATA: J5.1 J6.1 J7.1 | length 35.2
  Component Side w0.5: J6.1@71.29,55.01 J6.1@71.29,55.885 71.29,56.79 72.75,58.25 v1(75.896,58.25) ; v1(93.5,58) 93.5,54.46 94.21,53.75 95.75,53.75 97.29,55.29 J5.1@97.29,55.885
  Solder Side w0.5: v1(75.896,58.25) 80.79,58.25 82.04,57 82.04,56.443 82.94,57.343 87.423,57.343 88.08,58 v1(93.5,58)